# KiCad board atonceplus.kicad_pcb (continued)
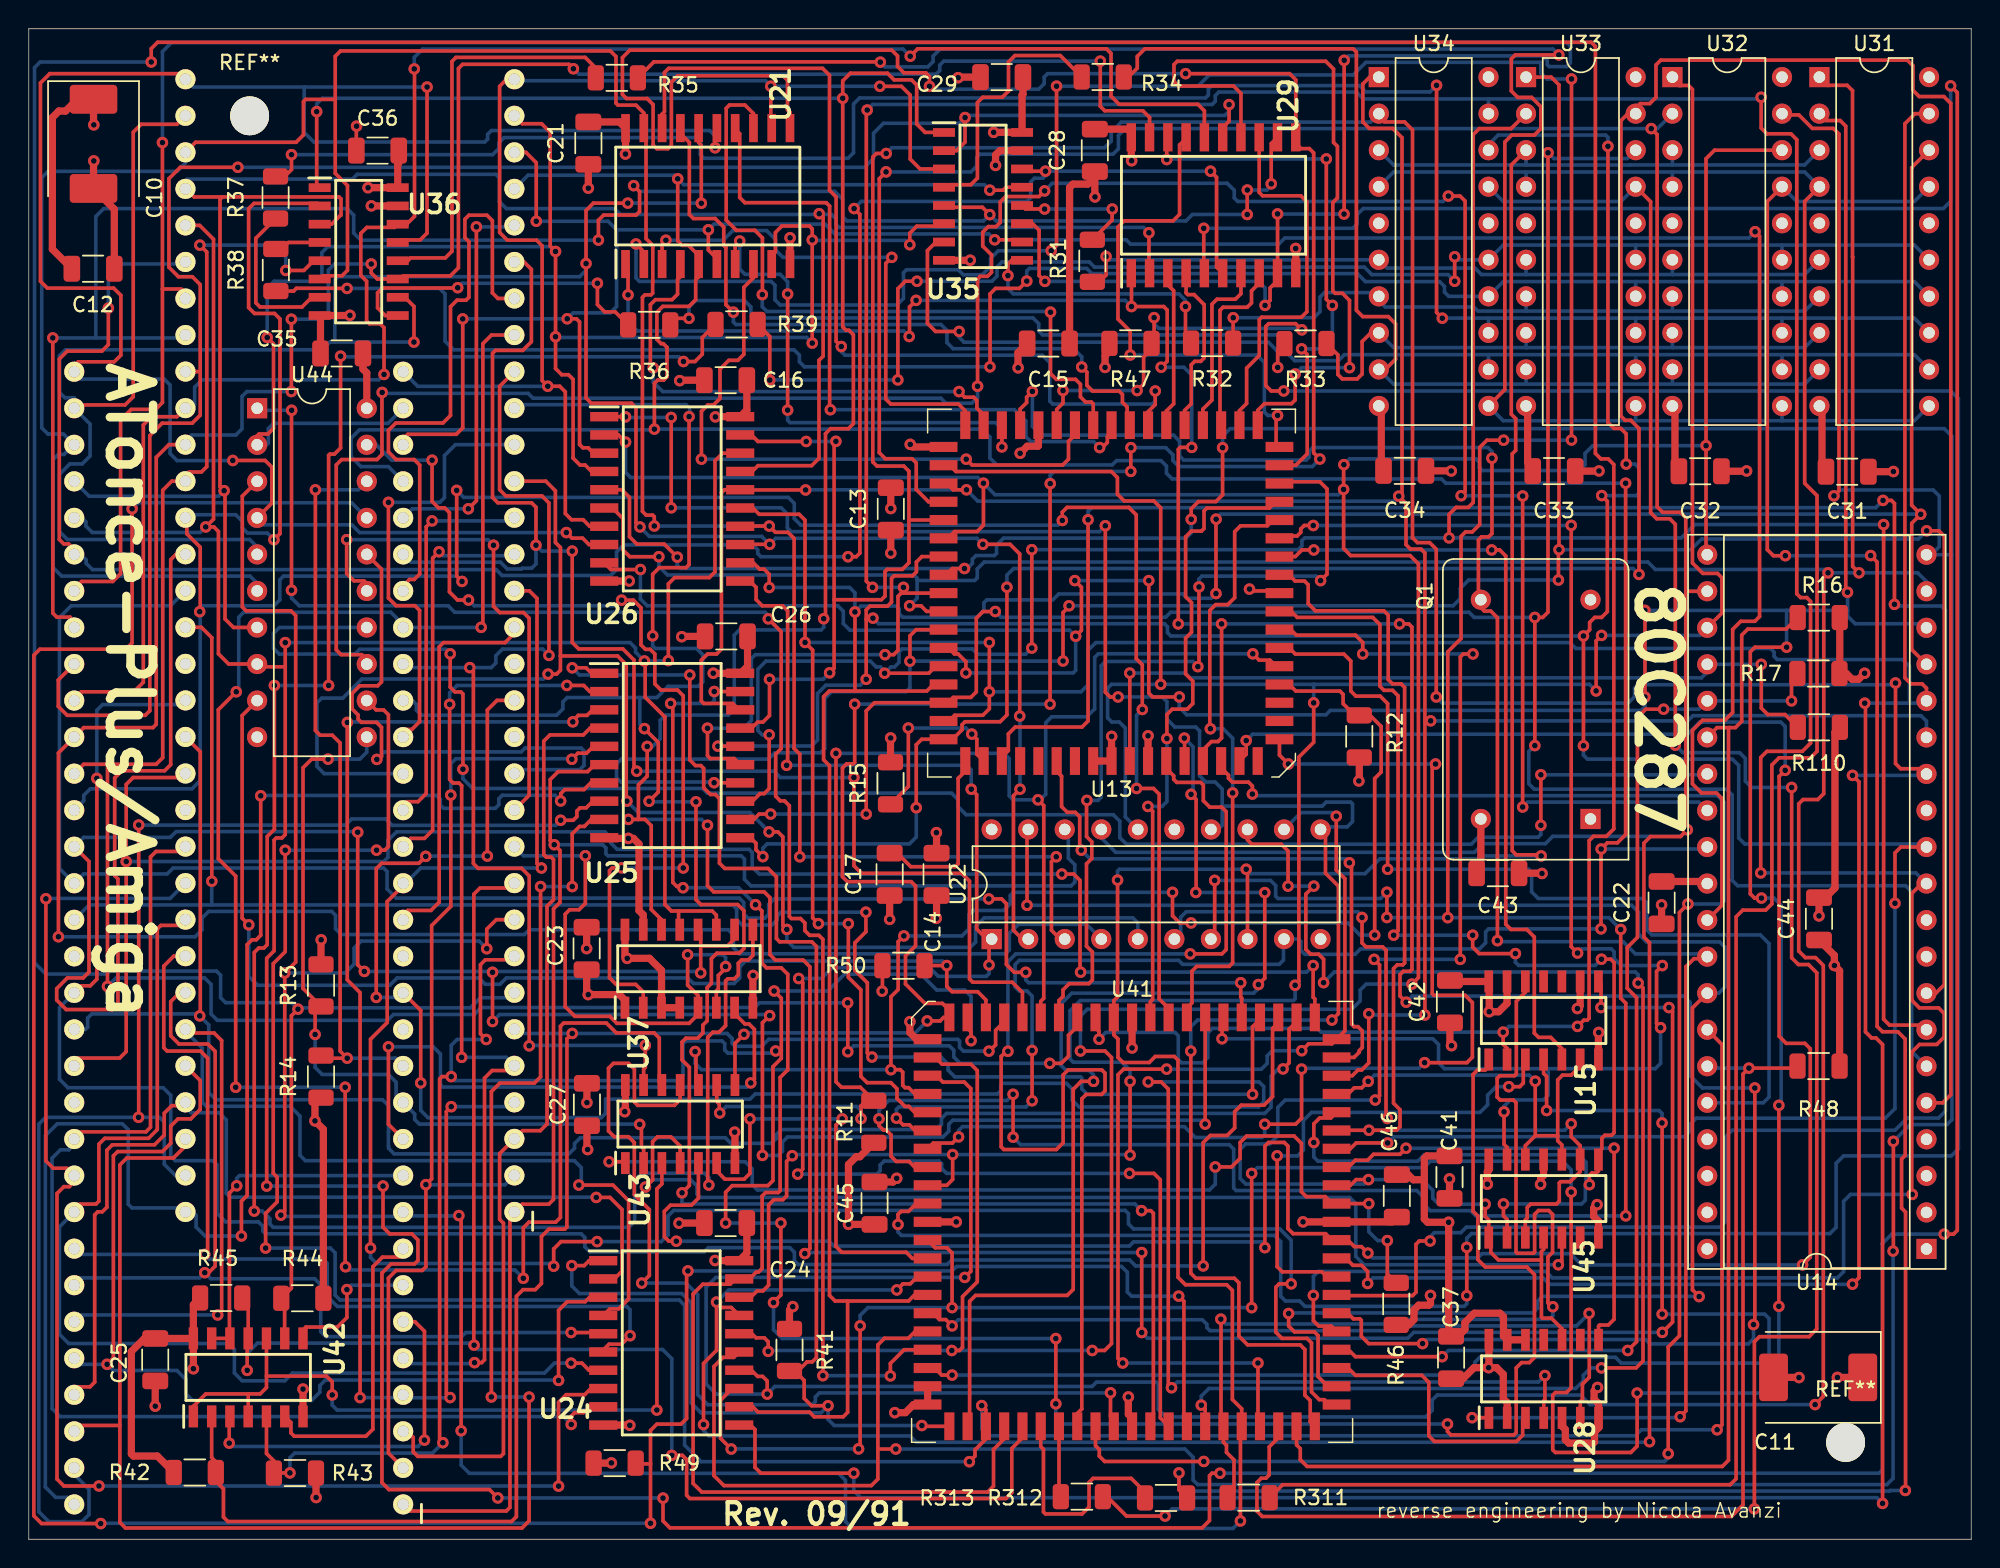
[diagram p0: board, top side]
## Routing (per net, layer and track width the routed paths; a pad name or vN(x,y) marks a point on that pad's centre or on a via; arc(x,y) is an arc through that point) (continued)
Z_FC2: length 41.8
  Top w0.25: J2.26 32.61,86.25 32.22,86.64 32.22,91.66 31.84,92.04 30.59,92.04 30.31,91.76 30.31,90.48 30.59,90.2 30.59,86.33 30.39,86.13 29.76,86.13 29.31,85.68 29.31,78.12 28.78,77.59 25.5,77.59 24.99,77.08 24.99,75.59 25.53,75.05 26.79,75.05 27.17,74.67 27.17,67.1 26.79,66.72 26.46,66.72 26.02,66.28 J1.26
Z_R~{W}: length 336.5
  Top w0.25: U44.3 14.84,72.51 14.84,64.81 15.11,64.54 18.22,64.54 18.55,64.21 18.55,40.12 v1(17.79,39.36) 17.79,22.8 v1(17.52,22.53) ; v1(29.89,22.5) 30.05,22.34 v1(30.05,7.54) ; v1(84.61,46.57) 84.7,46.48 U22.8 ; v1(84.21,1.27) 84.21,6.99 84.3,7.08 U41.49 84.3,9.06 83.65,9.71 83.65,17.3 83.26,17.69 80.39,17.69 79.87,18.21 79.87,33.31 79.62,33.56 78.29,33.56 77.87,33.14 76.05,33.14 75.7,33.49 75.7,34.77 75.41,35.06 U41.2 75.41,37.44 75.67,37.7 v1(75.67,45.82) ; J2.9 32.49,43.07 31.83,42.41 v1(31.83,41.05) ; U33.3 103.03,95.53 103.03,78.21 103.34,77.9 103.34,75.69 103.1,75.45 103.1,47.86 103.38,47.58 105.03,47.58 v1(105.11,47.5) ; 16,73.44 16,73.42
  Bottom w0.25: 104.06,95.53 94.86,95.53 U34.3 93.83,96.08 ; 104.06,95.53 104.06,95.54 U33.3 ; 104.06,95.53 104.06,95.53 111.29,95.53 111.29,95.53 114.23,95.53 ; 114.23,95.53 114.23,95.54 U32.3 ; 114.23,95.53 123.42,95.53 U31.3 ; v1(31.83,41.05) 31.3,41.58 23.1,41.58 22.61,41.09 22.61,39.98 21.99,39.36 v1(17.79,39.36) ; v1(75.67,45.82) 75.67,46.45 75.79,46.57 v1(84.61,46.57) 84.92,46.26 92.86,46.26 93.9,47.3 100.66,47.3 100.86,47.5 v1(105.11,47.5) ; v1(29.89,22.5) 29.87,22.48 26.28,22.48 J1.9 25.72,22.44 17.61,22.44 v1(17.52,22.53) ; v1(84.21,1.27) 83.69,0.75 57.24,0.75 56.76,1.23 56.76,4.1 56.28,4.58 30.62,4.58 30.05,5.15 v1(30.05,7.54)
Z_~{AS}: length 25
  Top w0.25: v1(13.93,6.68) 13.93,8.49 U42.3 ; v1(27.5,6.89) 27.5,14.46 26.84,15.12 J1.6
  Bottom w0.25: v1(13.93,6.68) 14.16,6.45 27.06,6.45 v1(27.5,6.89)
Z_~{BERR}: length 30.8
  Top w0.25: v1(25,72.08) 24.99,72.07 24.99,65.43 25.53,64.89 26.84,64.89 27.16,64.57 27.16,56.83 26.62,56.29 26.26,56.29 26.02,56.05 J1.22
  Bottom w0.25: v1(25,72.08) 28.57,72.08 28.89,72.4 28.89,75.33 29.65,76.09 J2.22
Z_~{BGACK}: length 55.2
  Top w0.25: v1(42.46,28.84) 42.58,28.72 42.58,27.29 42.73,27.14 U43.2 ; v1(20.8,54.23) 19.66,54.23 19.06,53.63 19.06,38.29 R13.2 19.9,36.63 v1(19.9,35.09)
  Bottom w0.25: U44.11 23.49,54.71 23.01,54.23 v1(20.8,54.23) ; v1(19.9,35.09) 19.9,32.8 20.39,32.31 24.99,32.31 25.53,31.77 25.53,30.85 J1.12 26.82,29.56 26.82,29.18 27.14,28.86 42.44,28.86 v1(42.46,28.84)
Z_~{BG}: length 40.6
  Top w0.25: v1(50.18,31.72) 50.43,31.97 50.43,35.44 50.05,35.82 49.77,35.82 49.06,36.53 U37.7 ; J1.11 24.99,28.85 24.99,34.22 v1(25,34.23)
  Bottom w0.25: v1(25,34.23) 28.11,34.23 28.61,33.73 28.61,31.59 28.77,31.43 49.89,31.43 v1(50.18,31.72)
Z_~{BR}: length 50.8
  Top w0.25: R14.2 20.49,33.44 v1(22.13,33.44) 21.64,33.93 21.64,55.35 21.1,55.89 20.25,55.89 19.92,56.22 v1(19.92,72.95)
  Bottom w0.25: U44.18 22.9,72.95 v1(19.92,72.95) ; J1.13 25.46,33.46 25.44,33.44 v1(22.13,33.44)
Z_~{DTACK}: length 24.3
  Top w0.25: v1(14.45,24.57) 13.94,24.06 13.94,14 U42.12 U42.13
  Bottom w0.25: v1(14.45,24.57) 14.45,25.09 14.64,25.28 J1.10
Z_~{HALT}: length 27
  Top w0.25: J1.17 26.02,43.4 26.33,43.71 27.95,43.71 28.52,44.28 28.52,62.03 28.82,62.33 33.1,62.33 33.75,62.98 J2.17
Z_~{IPL0}: length 137
  Top w0.25: v1(22.02,18.94) 21.99,18.97 v1(21.99,31.42) ; v1(14.38,31.42) 14.38,46.1 13.17,47.31 13.17,57.66 v1(14.42,58.91) ; J2.25 32.16,83.71 31.56,83.11 31.56,63.51 v1(31.44,63.39) ; v1(34.37,18.14) 34.37,21.65 34.76,22.04 36.62,22.04 36.95,22.37 36.95,35.66 37.18,35.89 40.14,35.89 40.83,35.2 43.46,35.2 43.82,34.84 43.82,31.75 U43.12 43.85,31.57
  Bottom w0.25: v1(22.02,18.94) 22.24,18.72 33.79,18.72 v1(34.37,18.14) ; v1(14.38,31.42) v1(21.99,31.42) ; v1(31.44,63.39) 31.43,63.38 J1.25 25.86,63.38 25.58,63.66 25.58,64.02 25.16,64.44 14.94,64.44 14.59,64.09 14.59,59.08 v1(14.42,58.91)
Z_~{IPL1}: length 75
  Top w0.25: U43.13 42.73,32.69 42.85,32.81 v1(42.85,34.33) ; v1(36.15,61.44) 36.15,72.04 35.67,72.52 33.16,72.52 32.72,72.96 32.72,80.14 J2.24 ; v1(30.65,60.59) 30.9,60.34 30.9,46.97 31.23,46.64 34.25,46.64 34.78,46.11 v1(34.78,34.3)
  Bottom w0.25: v1(34.78,34.3) 34.81,34.33 v1(42.85,34.33) ; v1(36.15,61.44) 35.71,61.88 32.92,61.88 32.46,61.42 32.46,60.91 32.14,60.59 v1(30.65,60.59) 26.29,60.59 26.04,60.84 J1.24
Z_~{IPL2}: length 153
  Top w0.25: v1(45.89,78.04) 45.89,67.75 45.68,67.54 43.82,67.54 43.36,67.08 v1(43.36,62.8) ; v1(43.11,51.3) 43.75,51.94 43.75,55.39 v1(42.79,56.35) ; v1(77.34,22.84) 77.98,22.84 78.16,22.66 78.16,8.73 77.95,8.52 U41.44 ; v1(46.37,51.26) 46.37,44.46 46.71,44.12 49.27,44.12 49.7,43.69 49.7,41.06 49.38,40.74 47.82,40.74 47.44,40.36 47.44,38.64 47.15,38.35 47.15,36.04 46.85,35.74 46.85,35.19 46.49,34.83 45.67,34.83 45.4,34.56 45.4,33.32 45.91,32.81 45.91,24.59 v1(45.4,24.08)
  Bottom w0.25: v1(43.11,51.3) 43.15,51.26 v1(46.37,51.26) ; J2.23 33.99,78.87 45.68,78.87 45.93,78.62 45.93,78.08 v1(45.89,78.04) ; v1(77.34,22.84) 76.87,23.31 45.51,23.31 45.4,23.42 v1(45.4,24.08) ; 42.47,58.51 37.42,58.51 37.12,58.21 37.12,57.72 36.68,57.28 27.29,57.28 26.94,57.63 26.94,58.03 26.67,58.3 J1.23 ; 42.47,58.51 42.47,56.67 v1(42.79,56.35) ; 42.47,58.51 43.65,58.51 44.43,59.29 46.53,59.29 46.84,59.6 46.84,61.49 46.41,61.92 43.54,61.92 43.36,62.1 v1(43.36,62.8)
Z_~{LDS}: length 21.5
  Top w0.25: U42.6 18.22,8.11 18.22,7.39 18.45,7.16 23.43,7.16 23.92,7.65 23.92,18.95 24.58,19.61 25.88,19.61 26.02,19.75 J1.8
Z_~{RESET}: length 141.8
  Top w0.25: J2.18 34.79,65.93 35.32,65.4 35.32,46.97 v1(35.63,46.66) ; v1(36.48,18.98) 36.48,20.18 36.99,20.69 v1(39.5,20.69) ; v1(23.75,20.24) 23.75,34.76 24.91,35.92 24.91,44.33 26.03,45.45 ; v1(87.74,17.75) 86.9,17.75 86.67,17.52 86.67,14.39 87.1,13.96 88.84,13.96 89.15,13.65 89.15,10.24 89.69,9.7 90.04,9.7 90.38,9.36 U41.54
  Bottom w0.25: v1(39.5,20.69) 43.96,20.69 44.43,21.16 44.43,22.47 44.82,22.86 76.2,22.86 76.43,22.63 76.43,21.92 76.78,21.57 86.95,21.57 87.74,20.78 v1(87.74,17.75) ; 26.03,45.45 27.24,46.66 v1(35.63,46.66) ; v1(23.75,20.24) 23.75,19.59 24.17,19.17 36.29,19.17 v1(36.48,18.98)
Z_~{UDS}: length 10
  Top w0.25: v1(22.11,17.36) 22.11,15.41 21.45,14.75 19.26,14.75 19.06,14.55 U42.8
  Bottom w0.25: J1.7 22.41,17.66 v1(22.11,17.36)
Z_~{VMA}: length 27.5
  Top w0.25: v1(28.51,68.64) 28.07,68.2 28.07,49.29 27.5,48.72 26.54,48.72 26.02,48.2 J1.19
  Bottom w0.25: v1(28.51,68.64) 28.78,68.37 33.65,68.37 J2.19
Z_~{VPA}: length 105.1
  Top w0.25: 36.95,61.4 36.95,68.94 36.6,69.29 36.6,72.88 35.93,73.55 J2.21 ; 36.95,61.4 40.92,61.4 41.52,60.8 41.52,51.36 v1(41.57,51.31) ; 36.95,61.4 36.95,60.41 36.68,60.14 v1(36.09,60.14) ; v1(52.69,42.39) 52.41,42.66 52.41,48.83 52.07,49.17 v1(51.45,49.17)
  Bottom w0.25: v1(41.57,51.31) 42.36,50.52 50.11,50.52 51.05,49.58 51.05,49.57 v1(51.45,49.17) ; U22.5 77.08,42.85 76.73,43.2 66.41,43.2 65.8,42.59 65.8,41.51 65.44,41.15 53.16,41.15 52.69,41.62 v1(52.69,42.39) ; J1.21 20.53,53.22 20.03,53.72 20.03,58.14 20.36,58.47 21.82,58.47 23.15,59.8 35.76,59.8 36.09,60.13 v1(36.09,60.14)
Net-(C17-Pad1): length 12.6
  Top w0.25: U13.52 65.09,53.39 64.59,52.89 64.59,46.96 64.38,46.75 61.3,46.75 60.35,47.69 C17.1
Net-(Q1-Pad8): length 138.9
  Top w0.25: U14.32 116.63,40.5 116.49,40.36 115.73,40.36 115.17,39.8 115.17,8.92 v1(114.77,8.52) ; v1(100.31,8.45) 101.47,8.45 U28.1 ; v1(101.69,75.15) 101.69,69.91 101.46,69.68 100.97,69.68 100.75,69.46 100.75,65.48 Q1.8 100.92,64.76 101.16,64.52 101.61,64.52 102.07,64.06 v1(102.07,41.61) ; v1(69.75,79.79) 69.35,79.39 69.35,79.01 68.9,78.56 U13.31
  Bottom w0.25: 69.85,79.69 v1(69.75,79.79) 69.75,77.36 70.36,76.75 79.56,76.75 79.98,76.33 79.98,75.3 80.26,75.02 88.78,75.02 88.99,75.23 88.99,75.63 89.25,75.89 101.41,75.89 101.69,75.61 v1(101.69,75.15) ; v1(100.31,8.45) 114.7,8.45 v1(114.77,8.52) ; U14.32 116.46,40.69 111.66,40.69 110.81,41.54 102.14,41.54 v1(102.07,41.61)
Net-(R15-Pad2): length 12.6
  Top w0.25: v1(61.13,56.39) 61.13,52.33 R15.2 ; v1(65.54,55.97) 65.89,55.62 65.89,54.57 U13.53
  Bottom w0.25: v1(65.54,55.97) 65.12,56.39 v1(61.13,56.39)
Net-(R31-Pad1): length 55
  Top w0.25: v1(74.87,89.17) 74.87,87.87 74.41,87.41 R31.1
  Bottom w0.25: v1(74.87,89.17) 75.1,88.94 U34.6 94.41,88.36 100.51,88.36 100.96,87.91 104.06,87.91 ; 114.25,87.91 123.42,87.91 U31.6 ; 114.25,87.91 104.06,87.91 ; 114.25,87.91 114.23,87.93 U32.6 ; 104.06,87.91 104.06,87.92 U33.6
Net-(R31-Pad2): length 9.1
  Top w0.25: U35.12 69.28,92.47 v1(70.6,92.47) ; v1(75.3,92.47) 75.29,92.46 75.29,91.7 R31.2
  Bottom w0.25: v1(75.3,92.47) v1(70.6,92.47)
Net-(R32-Pad1): length 47
  Top w0.25: v1(83.71,84.91) 83.7,84.91 R32.1
  Bottom w0.25: 104.08,85.37 104.06,85.39 U33.7 ; 104.08,85.37 114.22,85.37 ; 104.08,85.37 100.72,85.37 100.43,85.66 94.28,85.66 93.83,86.11 U34.7 93.57,86.66 90.05,86.66 89.74,86.35 89.74,85.34 89.31,84.91 v1(83.71,84.91) ; 114.22,85.37 123.42,85.37 U31.7 ; 114.22,85.37 114.23,85.38 U32.7
Net-(R32-Pad2): length 18.6
  Top w0.25: v1(68.05,87.84) 68.05,88.64 68.31,88.91 U35.9 ; R32.2 80.78,83.47 80.39,83.86 v1(80.39,85.69)
  Bottom w0.25: v1(68.05,87.84) 68.05,86.95 68.43,86.57 79.94,86.57 80.39,86.12 v1(80.39,85.69)
Net-(R33-Pad1): length 41.6
  Top w0.25: U34.8 93.27,83.86 92.67,83.26 92.67,81 92.33,80.66 91.29,80.66 90.98,80.97 90.98,82.33 R33.1
  Bottom w0.25: U33.8 104.06,82.86 104.08,82.83 ; U31.8 123.42,82.83 114.26,82.83 ; 114.26,82.83 114.23,82.86 U32.8 ; 114.26,82.83 104.08,82.83 ; 104.08,82.83 94.86,82.83 U34.8
Net-(R33-Pad2): length 34.8
  Top w0.25: R33.2 86.8,82.65 v1(86.8,81.46) ; v1(64.66,83.96) 63.02,83.96 62.46,84.52 62.46,89.58 63.06,90.17 U35.7
  Bottom w0.25: 64.68,83.94 v1(64.66,83.96) 64.66,83.55 65,83.21 86.16,83.21 86.8,82.57 v1(86.8,81.46)
Net-(R34-Pad1): length 76.1
  Top w0.25: U34.9 94.28,81.32 94.99,82.03 94.99,84.49 94.49,84.99 92.71,84.99 92.27,85.43 92.27,103.38 92.04,103.61 77.57,103.61 77.04,103.08 77.04,102.26 76.43,101.65 R34.1
  Bottom w0.25: 104.05,80.29 94.86,80.29 U34.9 ; 104.05,80.29 104.06,80.3 U33.9 ; 104.05,80.29 114.22,80.29 ; 114.22,80.29 123.42,80.29 U31.9 ; 114.22,80.29 114.23,80.3 U32.9
Net-(R34-Pad2): length 18.2
  Top w0.25: R34.2 71.69,103.14 68.54,103.14 68.09,102.69 68.09,100.67 67.66,100.24 66.3,100.24 65.93,99.87 65.93,94.62 65.47,94.16 64.14,94.16 63.97,93.98 U35.4
Net-(R35-Pad1): length 28.3
  Top w0.25: R35.1 39.41,102.27 38.67,103.01 29.69,103.01 29.41,102.73 29.41,89.53 28.95,89.07 26.53,89.07 26.33,88.88 U36.12
Net-(R35-Pad2): length 130.4
  Top w0.25: v1(59.18,102.68) 59.16,102.7 43.44,102.7 R35.2 ; U34.11 102.58,79.91 102.58,97.12 103.07,97.61 104.64,97.61 105.09,98.06 105.09,99.59 104.45,100.23 103.48,100.23 103.03,100.68 103.03,102.9 103.31,103.18 v1(106.34,103.18)
  Bottom w0.25: U31.11 131.04,77.75 121.88,77.75 ; 121.88,77.75 121.85,77.78 U32.11 ; 121.88,77.75 111.66,77.75 ; v1(106.34,103.18) 105.93,103.59 63.34,103.59 62.85,103.1 62.85,102.72 62.48,102.35 59.51,102.35 v1(59.18,102.68) ; U34.11 102.48,77.75 111.66,77.75 ; 111.66,77.75 111.68,77.77 U33.11
Net-(R36-Pad1): length 22.4
  Top w0.25: v1(29.81,87) 29.79,86.98 24.58,86.98 24.24,86.64 24.24,85.6 24.78,85.06 U36.9 ; R36.1 40.76,85.32 40.03,85.32 39.52,85.83 v1(39.52,87.31)
  Bottom w0.25: v1(29.81,87) 30.12,87.31 v1(39.52,87.31)
Net-(R36-Pad2): length 95.1
  Top w0.25: v1(45.88,84.87) 45.03,84.87 R36.2
  Bottom w0.25: 101.46,82.35 91.44,82.35 91.02,81.93 87.98,81.93 87.6,82.31 87.6,83.1 86.98,83.72 70.46,83.72 70.19,83.99 70.19,84.5 69.79,84.9 50.55,84.9 50.18,85.27 50.18,85.67 49.74,86.11 46.34,86.11 45.88,85.65 v1(45.88,84.87) ; 101.46,82.35 101.45,82.33 U34.12 ; 101.46,82.35 111.66,82.35 ; 121.91,82.35 121.85,82.29 U32.12 ; 121.91,82.35 111.66,82.35 ; 121.91,82.35 131.04,82.35 U31.12 ; 111.66,82.35 111.68,82.33 U33.12
Net-(R37-Pad1): length 11.3
  Top w0.25: U36.7 19.67,86.34 18.99,85.66 16.07,85.66 15.78,85.95 15.78,90.44 R37.1
Net-(R37-Pad2): length 142.2
  Top w0.25: R37.2 17.78,94.73 18.26,95.21 v1(18.26,96.25) ; v1(97.84,101.07) 97.84,85.28 v1(98.24,84.88)
  Bottom w0.25: v1(18.26,96.25) 32.24,96.25 32.67,96.68 32.67,97.07 33.04,97.44 46.42,97.44 46.67,97.19 46.67,96.25 46.92,96 56.94,96 57.32,96.38 57.32,99.77 57.74,100.19 81.78,100.19 81.98,100.39 81.98,100.81 82.22,101.05 92.48,101.05 92.92,100.61 97.38,100.61 v1(97.84,101.07) ; U32.13 121.85,84.88 121.84,84.89 ; U31.13 131.04,84.89 121.84,84.89 ; v1(98.24,84.88) 98.25,84.89 101.43,84.89 ; 121.84,84.89 111.72,84.89 ; 111.72,84.89 111.68,84.85 U33.13 ; 111.72,84.89 101.43,84.89 ; 101.43,84.89 101.45,84.86 U34.13
Net-(R38-Pad1): length 3.2
  Top w0.25: R38.1 17.59,89.69 18.05,90.15 U36.4
Net-(R38-Pad2): length 129.6
  Top w0.25: v1(69.36,87.46) 68.85,86.95 67.19,86.95 66.81,86.57 66.81,81.51 v1(66.8,81.5) ; R38.2 18.41,86.77 18.6,86.96 21.24,86.96 21.25,86.95 v1(22.12,86.95)
  Bottom w0.25: 111.67,87.43 111.68,87.42 U33.14 ; 111.67,87.43 102.48,87.43 U34.14 98.69,86.4 98.39,86.7 98.39,87.09 98.05,87.43 92.89,87.43 92.34,87.98 73.88,87.98 73.52,88.34 69.54,88.34 69.36,88.16 v1(69.36,87.46) ; 111.67,87.43 121.85,87.43 ; U32.14 121.85,87.42 121.85,87.43 ; U31.14 131.04,87.43 121.85,87.43 ; v1(22.12,86.95) 28.55,86.95 28.93,86.57 28.93,83.28 29.53,82.68 53.19,82.68 53.56,82.31 53.56,81.85 53.91,81.5 v1(66.8,81.5)
Net-(R39-Pad1): length 148.5
  Top w0.25: v1(21.67,82.24) 21.67,75.86 21.24,75.43 20.92,75.43 20.84,75.35 v1(20.84,59.35) ; v1(15.67,22.81) 15.67,40.79 15.98,41.1 16.34,41.1 16.57,41.33 16.57,48.85 17.07,49.35 v1(17.07,59.35) ; U37.9 50.32,40.58 50.01,40.27 49.54,40.27 49.31,40.04 49.31,39.23 49.04,38.96 48.58,38.96 48.43,38.81 48.43,35.7 47.97,35.24 47.54,35.24 47.18,34.89 47.18,24.7 v1(47.26,24.62) ; R39.1 46.81,83.53 46.81,82.38 46.3,81.87 v1(45.5,81.87)
  Bottom w0.25: v1(20.84,59.35) v1(17.07,59.35) ; v1(45.5,81.87) 45.17,82.2 21.71,82.2 v1(21.67,82.24) ; v1(15.67,22.81) 16.23,22.81 16.76,22.28 16.76,21.91 16.99,21.68 41.7,21.68 42.11,22.09 42.11,24.95 42.6,25.44 46.96,25.44 47.26,25.14 v1(47.26,24.62)
Net-(R39-Pad2): length 97.5
  Top w0.25: v1(51.5,80.58) 51.5,83.6 R39.2 ; v1(60.4,80.59) 60.4,86.93 60.92,87.45 v1(61.73,87.45) ; v1(99.1,87.45) v1(99.1,89.15)
  Bottom w0.25: v1(61.73,87.45) 66.94,87.45 67.29,87.8 67.29,88.44 67.64,88.79 73.71,88.79 74.07,88.43 92.82,88.43 93.34,87.91 98.64,87.91 v1(99.1,87.45) ; U31.15 131.04,89.97 121.83,89.97 ; 121.83,89.97 121.85,89.94 U32.15 ; 121.83,89.97 111.68,89.97 ; U33.15 111.68,89.96 111.68,89.97 ; 111.68,89.97 102.48,89.97 U34.15 99.31,88.94 v1(99.1,89.15) ; v1(60.4,80.59) 51.51,80.59 v1(51.5,80.58)
Net-(R311-Pad2): length 162.1
  Top w0.25: R311.2 87.14,3.79 118.25,3.79 118.66,4.2 118.66,43.27 119.12,43.73 120.71,43.73 121.15,44.17 121.15,53.83 121.64,54.32 123.83,54.32 124.29,54.78 124.29,72.54 123.42,73.41 123.42,92.99 U31.4
  Bottom w0.25: 104.03,95.05 114.24,95.05 ; 104.03,95.05 94.86,95.05 U34.4 93.83,94.46 ; 104.03,95.05 104.06,95.01 U33.4 ; 114.24,95.05 123.42,95.05 U31.4 ; 114.24,95.05 114.23,95.04 U32.4
Net-(R312-Pad2): length 164.5
  Top w0.25: U32.17 120.82,92.99 120.82,68.8 121.25,68.37 v1(122.08,68.37) ; v1(128.01,68.38) 128.46,67.93 128.46,35.65 128.83,35.28 129.9,35.28 130.41,34.77 130.41,26.68 130.16,26.43 130.16,23.02 130.44,22.74 130.44,3.41 v1(130.42,3.39) ; v1(79.94,4.61) 79.94,3.43 R312.2
  Bottom w0.25: U32.17 122.88,92.99 131.04,92.99 U31.17 ; v1(130.42,3.39) 129.37,3.39 129.33,3.35 80.25,3.35 79.94,3.66 v1(79.94,4.61) ; v1(122.08,68.37) 128,68.37 v1(128.01,68.38)
Net-(R313-Pad2): length 162.9
  Top w0.25: v1(122.52,52.26) 122.52,40.42 122.99,39.95 123.69,39.95 124.27,39.37 124.27,14.62 123.73,14.08 120.28,14.08 119.93,13.73 v1(119.93,2.11) ; U33.17 112.72,92.98 112.72,71.36 113.14,70.94 114.05,70.94 114.44,70.56 v1(114.44,55.2) ; v1(78.97,1.61) 76.29,1.61 74.94,2.96 R313.2
  Bottom w0.25: U33.17 110.65,92.99 102.48,92.99 U34.17 ; v1(122.52,52.26) 119.74,52.26 119.3,52.7 119.3,54.28 118.9,54.68 114.95,54.68 v1(114.44,55.2) ; v1(119.93,2.11) 79.47,2.11 v1(78.97,1.61)
Net-(U15-Pad8): length 264.1
  Top w0.25: 42.37,50.04 42.83,50.04 43.26,49.61 43.26,43.78 43.97,43.06 U37.14 ; 42.37,50.04 42.37,52.44 42.98,53.05 v1(42.98,55.11) ; 42.37,50.04 v1(41.67,50.04) ; v1(53.94,19.86) 54.29,20.21 54.29,39.79 53.82,40.26 51.89,40.26 51.51,40.64 51.51,44.6 51.11,45 47.6,45 47.17,45.43 v1(47.17,49.63) ; v1(113.53,14.38) 114.25,15.1 114.25,36.7 v1(113.99,36.96) ; v1(77.35,19.93) v1(77.35,14.37) ; v1(55.25,63.99) 55.37,64.11 55.37,76.85 55.72,77.2 56.96,77.2 57.31,77.55 57.31,83.73 57,84.04 56.8,84.04 56.57,84.27 v1(56.57,100.17) 56.57,101.38 57.1,101.91 59.68,101.91 60.14,101.45 61.35,101.45 61.71,101.09 61.71,98.38 62.29,97.8 U35.1 ; v1(20.01,99.24) 20.01,94.16 U36.1 ; U15.8 109.27,38.59 v1(109.27,36.96)
  Bottom w0.25: v1(77.35,19.93) 54.01,19.93 v1(53.94,19.86) ; v1(20.01,99.24) 20.01,99.78 20.4,100.17 v1(56.57,100.17) ; v1(113.53,14.38) 96.25,14.38 95.84,13.97 77.75,13.97 v1(77.35,14.37) ; v1(41.67,50.04) 46.76,50.04 v1(47.17,49.63) ; v1(113.99,36.96) v1(109.27,36.96) ; v1(42.98,55.11) 43.35,55.11 43.88,55.64 43.88,56.92 44.25,57.29 48.61,57.29 49.03,57.71 49.03,62.85 49.39,63.21 55.07,63.21 55.25,63.39 v1(55.25,63.99)
Net-(U37-Pad2): length 65.7
  Top w0.25: v1(30.56,65.29) 29.8,65.29 29.24,65.85 29.24,71.36 28.9,71.7 28.47,71.7 28.03,72.14 v1(28.03,75.01) ; v1(41.2,65.28) 42.02,65.28 42.55,64.75 42.55,62.17 42.86,61.86 43.19,61.86 43.51,61.54 43.51,59.46 43.94,59.03 45.09,59.03 45.49,58.64 v1(45.49,46.66) ; v1(41.21,46.67) 40.55,46.67 40.36,46.48 40.36,39.03 40.82,38.57 42.18,38.57 42.7,38.05 U37.2
  Bottom w0.25: U44.19 24.15,76.08 25.22,75.01 v1(28.03,75.01) ; v1(41.2,65.28) 40.81,64.89 30.96,64.89 v1(30.56,65.29) ; v1(41.21,46.67) 41.22,46.66 v1(45.49,46.66)
Net-(U42-Pad1): length 57.7
  Top w0.25: 15.3,10.1 15.25,10.05 U42.4 ; 15.3,10.1 12.3,10.1 11.44,9.24 U42.1 ; 15.3,10.1 16.08,10.1 16.52,10.54 16.52,11.34 ; v1(21.09,10.03) 21.09,10.94 20.69,11.34 16.52,11.34 ; v1(43.65,8.98) 43.65,24.35 44,24.7 U43.3 ; 16.52,11.34 U42.10
  Bottom w0.25: v1(43.65,8.98) 21.43,8.98 21.09,9.32 v1(21.09,10.03)
Net-(U43-Pad4): length 77.4
  Top w0.25: U45.5 106.55,19.32 v1(106.31,19.08) ; U43.4 45.27,27.33 44.63,27.97 43.69,27.97 43.36,27.64 43.36,24.98 v1(42.86,24.48)
  Bottom w0.25: v1(106.31,19.08) 92.81,19.08 92.23,19.66 92.23,23.33 91.8,23.76 46.68,23.76 46.44,24 46.44,24.55 46,24.99 43.37,24.99 v1(42.86,24.48)

## Copper pours and planes (outline as drawn; the poured copper is in the pictures)
GND on In2.Cu: 134,1 1,1 1,104 134,104
VCC on In1.Cu: 134,1 1,1 1,104 134,104

## Text on the board
F.SilkS: reverse engineering by Nicola Avanzi | Rev. 09/91 | ATonce-Plus/Amiga | 80C287
